# Altium PCB DL-5新款球锁 - 拼板-20201231.PcbDoc (part 4 of 9)
Units mm, origin at the board's own origin, x right, y up, seen from the top; angles counter-clockwise.
Board outline 55.99 x 50 mm, 4 copper layers (Top Layer, POWER, GND, Bottom Layer); 388 components, 70 nets, 1224 pads, 536 vias.
Unrouted connection lines stored in the file: 276.
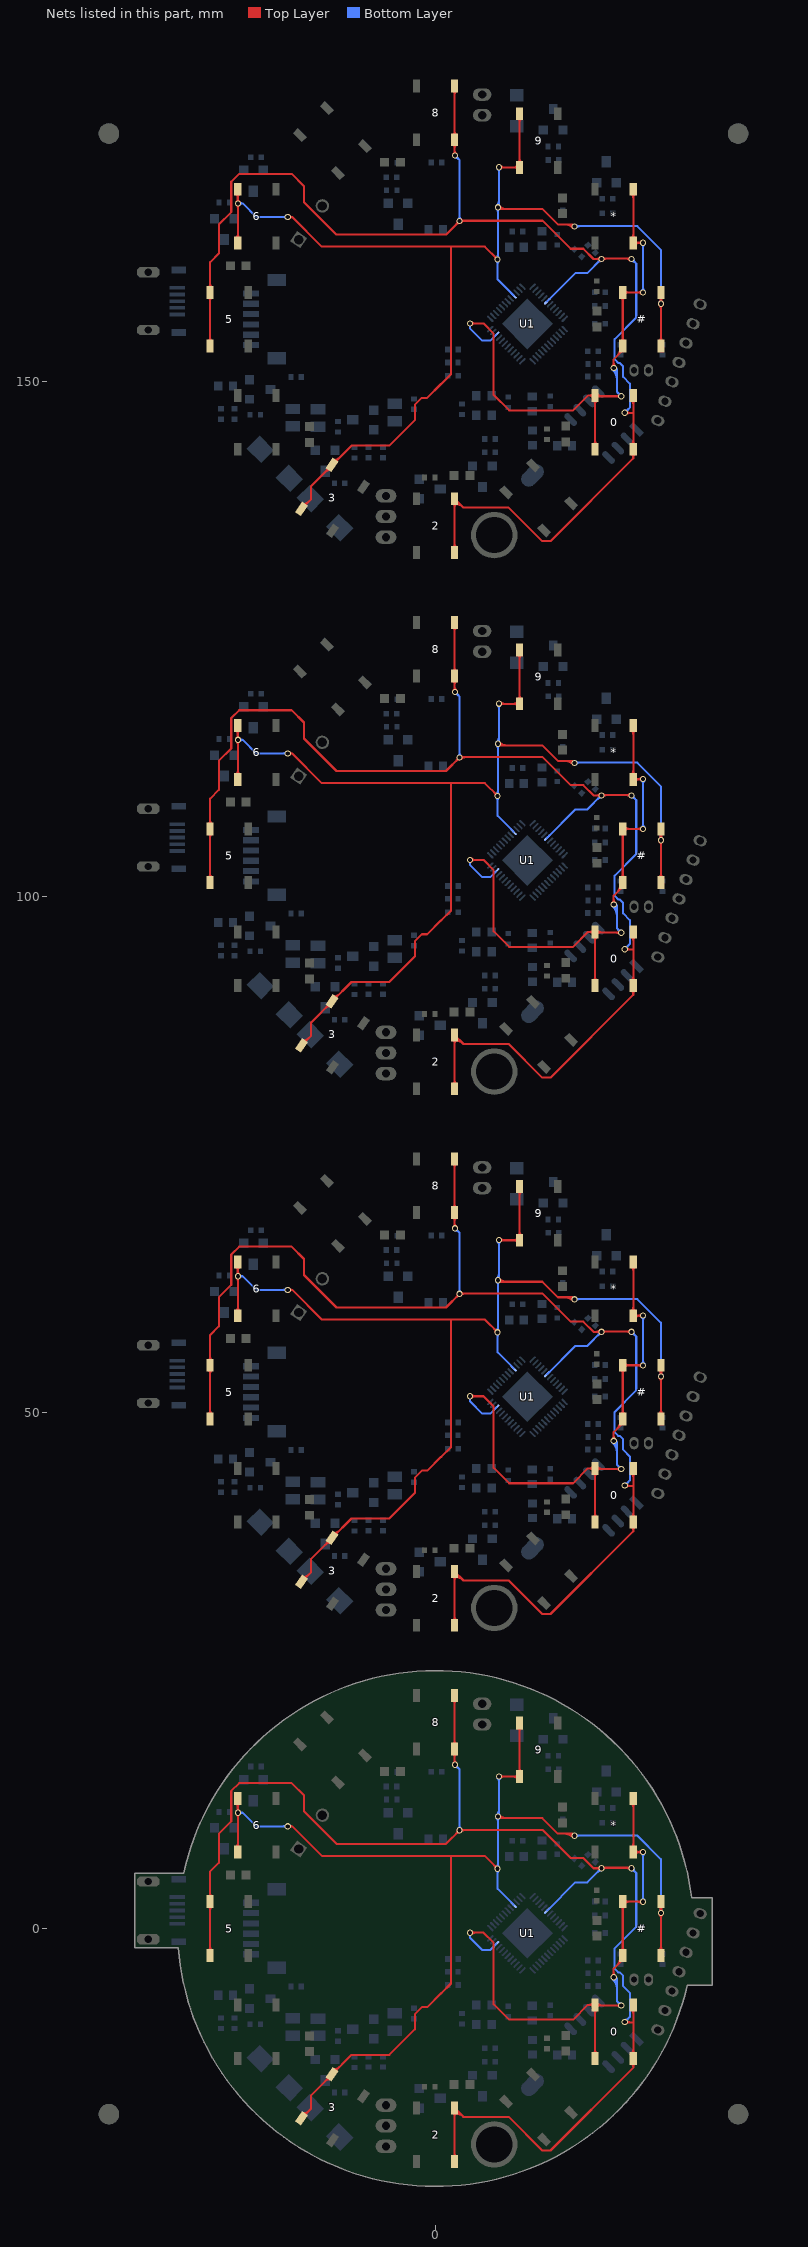
[diagram p6: the nets of this part, all layers, seen from the top]

## Via types
v1: diameter 0.6, hole 0.4, Top Layer to Bottom Layer, 440 vias
v2: diameter 0.6, hole 0.4, Top Layer to Bottom Layer, tented both sides, 48 vias
v3: diameter 0.61, hole 0.406, Top Layer to Bottom Layer, 24 vias
v4: diameter 0.61, hole 0.4, Top Layer to Bottom Layer, 16 vias
v5: diameter 0.61, hole 0.406, Top Layer to Bottom Layer, tented both sides, 8 vias

## Nets (pads, with @x,y where several pads share a name; then routed paths per layer and width w, separated by ;. In a path a pad name is that pad's centre, name@x,y a point inside that pad or via, vN(x,y) a via of type N, cw(c..) or ccw(c..) an arc to the next point about the centre after c; other vN are vias at no path point) (continued)
KEYX_4: 0.2 #.2 *.2 U1.10 | length 296.6
  Top Layer w0.2: v1(3.348,-0.406) 4.644,-0.406 5.635,-1.398 5.635,-7.342 7.133,-8.839 13.331,-8.839 14.77,-7.4 0.2@15.468,-7.4 ; v1(3.348,51.594) 4.644,51.594 5.635,50.602 5.635,44.658 7.133,43.161 13.331,43.161 14.77,44.6 0.2@15.468,44.6 ; v1(3.348,103.594) 4.644,103.594 5.635,102.602 5.635,96.658 7.133,95.161 13.331,95.161 14.77,96.6 0.2@15.468,96.6 ; v1(3.348,155.594) 4.644,155.594 5.635,154.602 5.635,148.658 7.133,147.161 13.331,147.161 14.77,148.6 0.2@15.468,148.6 ; v1@3.49,-0.548 cw(c3.831,-0.889) 3.831,-0.406 cw(c3.831,0.076) v1@3.49,-0.265 ; v1@3.49,51.452 cw(c3.831,51.111) 3.831,51.594 cw(c3.831,52.076) v1@3.49,51.735 ; v1@3.49,103.452 cw(c3.831,103.111) 3.831,103.594 cw(c3.831,104.076) v1@3.49,103.735 ; v1@3.49,155.452 cw(c3.831,155.111) 3.831,155.594 cw(c3.831,156.076) v1@3.49,155.735 ; 0.2@15.291,-12.148 ccw(c14.864,-11.721) 15.468,-11.721 ccw(c16.071,-11.721) 0.2@15.644,-12.148 ; 0.2@15.291,-7.852 cw(c14.864,-8.279) 15.468,-8.279 cw(c16.071,-8.279) 0.2@15.644,-7.852 ; 0.2@15.291,-7.577 ccw(c14.864,-8.004) 14.864,-7.4 ccw(c14.864,-6.796) 0.2@15.291,-7.223 ; 0.2@15.291,39.852 ccw(c14.864,40.279) 15.468,40.279 ccw(c16.071,40.279) 0.2@15.644,39.852 ; 0.2@15.291,44.148 cw(c14.864,43.721) 15.468,43.721 cw(c16.071,43.721) 0.2@15.644,44.148 ; 0.2@15.291,44.423 ccw(c14.864,43.996) 14.864,44.6 ccw(c14.864,45.204) 0.2@15.291,44.777 ; 0.2@15.291,91.852 ccw(c14.864,92.279) 15.468,92.279 ccw(c16.071,92.279) 0.2@15.644,91.852 ; 0.2@15.291,96.148 cw(c14.864,95.721) 15.468,95.721 cw(c16.071,95.721) 0.2@15.644,96.148 ; 0.2@15.291,96.423 ccw(c14.864,95.996) 14.864,96.6 ccw(c14.864,97.204) 0.2@15.291,96.777 ; 0.2@15.291,143.852 ccw(c14.864,144.279) 15.468,144.279 ccw(c16.071,144.279) 0.2@15.644,143.852 ; 0.2@15.291,148.148 cw(c14.864,147.721) 15.468,147.721 cw(c16.071,147.721) 0.2@15.644,148.148 ; 0.2@15.291,148.423 ccw(c14.864,147.996) 14.864,148.6 ccw(c14.864,149.204) 0.2@15.291,148.777 ; 0.2@15.468,-12.6 0.2@15.468,-7.4 ; 0.2@15.468,39.4 0.2@15.468,44.6 ; 0.2@15.468,91.4 0.2@15.468,96.6 ; 0.2@15.468,143.4 0.2@15.468,148.6 ; 0.2@15.644,-7.577 cw(c15.908,-7.84) 15.908,-7.468 ; 0.2@15.644,44.423 cw(c15.908,44.16) 15.908,44.532 ; 0.2@15.644,96.423 cw(c15.908,96.16) 15.908,96.532 ; 0.2@15.644,148.423 cw(c15.908,148.16) 15.908,148.532 ; 0.2@15.644,-7.223 ccw(c16.234,-6.633) 16.234,-7.468 ; 0.2@15.644,44.777 ccw(c16.234,45.367) 16.234,44.532 ; 0.2@15.644,96.777 ccw(c16.234,97.367) 16.234,96.532 ; 0.2@15.644,148.777 ccw(c16.234,149.367) 16.234,148.532 ; v1@17.126,-4.583 ccw(c16.785,-4.242) 17.268,-4.242 ccw(c17.751,-4.242) v1@17.409,-4.583 ; v1@17.126,47.417 ccw(c16.785,47.758) 17.268,47.758 ccw(c17.751,47.758) v1@17.409,47.417 ; v1@17.126,99.417 ccw(c16.785,99.758) 17.268,99.758 ccw(c17.751,99.758) v1@17.409,99.417 ; v1@17.126,151.417 ccw(c16.785,151.758) 17.268,151.758 ccw(c17.751,151.758) v1@17.409,151.417 ; v1(17.268,-4.724) 17.268,-3.886 18.147,-3.007 #.2@18.147,-2.6 #.2@18.147,2.6 20.103,2.6 v1(20.112,2.591) ; v1(17.268,47.276) 17.268,48.114 18.147,48.993 #.2@18.147,49.4 #.2@18.147,54.6 20.103,54.6 v1(20.112,54.591) ; v1(17.268,99.276) 17.268,100.114 18.147,100.993 #.2@18.147,101.4 #.2@18.147,106.6 20.103,106.6 v1(20.112,106.591) ; v1(17.268,151.276) 17.268,152.114 18.147,152.993 #.2@18.147,153.4 #.2@18.147,158.6 20.103,158.6 v1(20.112,158.591) ; 17.626,-3.527 ccw(c16.974,-2.875) #.2@17.897,-2.875 ; 17.626,48.473 ccw(c16.974,49.125) #.2@17.897,49.125 ; 17.626,100.473 ccw(c16.974,101.125) #.2@17.897,101.125 ; 17.626,152.473 ccw(c16.974,153.125) #.2@17.897,153.125 ; v1@17.863,-7.609 ccw(c17.521,-7.95) 17.521,-7.468 ccw(c17.521,-6.985) v1@17.863,-7.326 ; v1@17.863,44.391 ccw(c17.521,44.05) 17.521,44.532 ccw(c17.521,45.015) v1@17.863,44.674 ; v1@17.863,96.391 ccw(c17.521,96.05) 17.521,96.532 ccw(c17.521,97.015) v1@17.863,96.674 ; v1@17.863,148.391 ccw(c17.521,148.05) 17.521,148.532 ccw(c17.521,149.015) v1@17.863,148.674 ; #.2@17.946,-3.208 cw(c18.147,-3.409) #.2@18.147,-3.125 ; #.2@17.946,48.792 cw(c18.147,48.591) #.2@18.147,48.875 ; #.2@17.946,100.792 cw(c18.147,100.591) #.2@18.147,100.875 ; #.2@17.946,152.792 cw(c18.147,152.591) #.2@18.147,152.875 ; #.2@17.968,-3.186 ccw(c17.657,-2.875) #.2@18.097,-2.875 ; #.2@17.968,48.814 ccw(c17.657,49.125) #.2@18.097,49.125 ; #.2@17.968,100.814 ccw(c17.657,101.125) #.2@18.097,101.125 ; #.2@17.968,152.814 ccw(c17.657,153.125) #.2@18.097,153.125 ; #.2@17.97,-2.148 ccw(c17.543,-1.721) 18.147,-1.721 ccw(c18.75,-1.721) #.2@18.323,-2.148 ; #.2@17.97,2.148 cw(c17.543,1.721) 18.147,1.721 cw(c18.75,1.721) #.2@18.323,2.148 ; #.2@17.97,49.852 ccw(c17.543,50.279) 18.147,50.279 ccw(c18.75,50.279) #.2@18.323,49.852 ; #.2@17.97,54.148 cw(c17.543,53.721) 18.147,53.721 cw(c18.75,53.721) #.2@18.323,54.148 ; #.2@17.97,101.852 ccw(c17.543,102.279) 18.147,102.279 ccw(c18.75,102.279) #.2@18.323,101.852 ; #.2@17.97,106.148 cw(c17.543,105.721) 18.147,105.721 cw(c18.75,105.721) #.2@18.323,106.148 ; #.2@17.97,153.852 ccw(c17.543,154.279) 18.147,154.279 ccw(c18.75,154.279) #.2@18.323,153.852 ; #.2@17.97,158.148 cw(c17.543,157.721) 18.147,157.721 cw(c18.75,157.721) #.2@18.323,158.148 ; v1(18.004,-7.468) 15.535,-7.468 0.2@15.468,-7.4 ; v1(18.004,44.532) 15.535,44.532 0.2@15.468,44.6 ; v1(18.004,96.532) 15.535,96.532 0.2@15.468,96.6 ; v1(18.004,148.532) 15.535,148.532 0.2@15.468,148.6 ; #.2@18.323,2.423 cw(c18.75,1.996) 18.75,2.6 cw(c18.75,3.204) #.2@18.323,2.777 ; #.2@18.323,54.423 cw(c18.75,53.996) 18.75,54.6 cw(c18.75,55.204) #.2@18.323,54.777 ; #.2@18.323,106.423 cw(c18.75,105.996) 18.75,106.6 cw(c18.75,107.204) #.2@18.323,106.777 ; #.2@18.323,158.423 cw(c18.75,157.996) 18.75,158.6 cw(c18.75,159.204) #.2@18.323,158.777 ; *.2@18.991,7.852 ccw(c18.564,8.279) 19.168,8.279 ccw(c19.771,8.279) *.2@19.344,7.852 ; *.2@18.991,12.148 cw(c18.564,11.721) 19.168,11.721 cw(c19.771,11.721) *.2@19.344,12.148 ; *.2@18.991,59.852 ccw(c18.564,60.279) 19.168,60.279 ccw(c19.771,60.279) *.2@19.344,59.852 ; *.2@18.991,64.148 cw(c18.564,63.721) 19.168,63.721 cw(c19.771,63.721) *.2@19.344,64.148 ; *.2@18.991,111.852 ccw(c18.564,112.279) 19.168,112.279 ccw(c19.771,112.279) *.2@19.344,111.852 ; *.2@18.991,116.148 cw(c18.564,115.721) 19.168,115.721 cw(c19.771,115.721) *.2@19.344,116.148 ; *.2@18.991,163.852 ccw(c18.564,164.279) 19.168,164.279 ccw(c19.771,164.279) *.2@19.344,163.852 ; *.2@18.991,168.148 cw(c18.564,167.721) 19.168,167.721 cw(c19.771,167.721) *.2@19.344,168.148 ; *.2@19.168,12.6 *.2@19.168,7.4 19.184,7.417 v1(20.112,7.417) ; *.2@19.168,64.6 *.2@19.168,59.4 19.184,59.417 v1(20.112,59.417) ; *.2@19.168,116.6 *.2@19.168,111.4 19.184,111.417 v1(20.112,111.417) ; *.2@19.168,168.6 *.2@19.168,163.4 19.184,163.417 v1(20.112,163.417) ; *.2@19.344,7.223 cw(c19.812,6.756) 19.812,7.417 ; *.2@19.344,7.577 ccw(c19.731,7.963) 19.731,7.417 ; *.2@19.344,59.223 cw(c19.812,58.756) 19.812,59.417 ; *.2@19.344,59.577 ccw(c19.731,59.963) 19.731,59.417 ; *.2@19.344,111.223 cw(c19.812,110.756) 19.812,111.417 ; *.2@19.344,111.577 ccw(c19.731,111.963) 19.731,111.417 ; *.2@19.344,163.223 cw(c19.812,162.756) 19.812,163.417 ; *.2@19.344,163.577 ccw(c19.731,163.963) 19.731,163.417 ; 19.607,2.6 cw(c19.607,2.086) v1@19.971,2.449 ; 19.607,54.6 cw(c19.607,54.086) v1@19.971,54.449 ; 19.607,106.6 cw(c19.607,106.086) v1@19.971,106.449 ; 19.607,158.6 cw(c19.607,158.086) v1@19.971,158.449 ; 19.652,2.6 ccw(c19.652,3.051) v1@19.971,2.732 ; 19.652,54.6 ccw(c19.652,55.051) v1@19.971,54.732 ; 19.652,106.6 ccw(c19.652,107.051) v1@19.971,106.732 ; 19.652,158.6 ccw(c19.652,159.051) v1@19.971,158.732 ; v1@19.971,7.275 ccw(c19.63,6.934) 19.63,7.417 ccw(c19.63,7.9) v1@19.971,7.558 ; v1@19.971,59.275 ccw(c19.63,58.934) 19.63,59.417 ccw(c19.63,59.9) v1@19.971,59.558 ; v1@19.971,111.275 ccw(c19.63,110.934) 19.63,111.417 ccw(c19.63,111.9) v1@19.971,111.558 ; v1@19.971,163.275 ccw(c19.63,162.934) 19.63,163.417 ccw(c19.63,163.9) v1@19.971,163.558
  Bottom Layer w0.2: v1(3.348,-0.406) 3.348,-0.914 4.517,-2.083 5.306,-2.083 U1.10@5.871,-1.518 ; v1(3.348,51.594) 3.348,51.086 4.517,49.917 5.306,49.917 U1.10@5.871,50.482 ; v1(3.348,103.594) 3.348,103.086 4.517,101.917 5.306,101.917 U1.10@5.871,102.482 ; v1(3.348,155.594) 3.348,155.086 4.517,153.917 5.306,153.917 U1.10@5.871,154.482 ; v1@17.126,-4.866 cw(c15.988,-6.004) 17.598,-6.004 ; v1@17.126,47.134 cw(c15.988,45.996) 17.598,45.996 ; v1@17.126,99.134 cw(c15.988,97.996) 17.598,97.996 ; v1@17.126,151.134 cw(c15.988,149.996) 17.598,149.996 ; v1(17.268,-4.724) cw(c16.471,-5.522) 17.598,-5.522 ; v1(17.268,47.276) cw(c16.471,46.478) 17.598,46.478 ; v1(17.268,99.276) cw(c16.471,98.478) 17.598,98.478 ; v1(17.268,151.276) cw(c16.471,150.478) 17.598,150.478 ; v1@17.409,-4.583 cw(c16.953,-5.039) 17.598,-5.039 ; v1@17.409,47.417 cw(c16.953,46.961) 17.598,46.961 ; v1@17.409,99.417 cw(c16.953,98.961) 17.598,98.961 ; v1@17.409,151.417 cw(c16.953,150.961) 17.598,150.961 ; 17.598,-4.826 17.598,-7.061 v1(18.004,-7.468) ; 17.598,47.174 17.598,44.939 v1(18.004,44.532) ; 17.598,99.174 17.598,96.939 v1(18.004,96.532) ; 17.598,151.174 17.598,148.939 v1(18.004,148.532) ; v1@17.804,-7.468 ccw(c17.321,-7.468) 17.663,-7.126 ccw(c18.004,-6.785) v1@18.004,-7.268 ; v1@17.804,44.532 ccw(c17.321,44.532) 17.663,44.874 ccw(c18.004,45.215) v1@18.004,44.732 ; v1@17.804,96.532 ccw(c17.321,96.532) 17.663,96.874 ccw(c18.004,97.215) v1@18.004,96.732 ; v1@17.804,148.532 ccw(c17.321,148.532) 17.663,148.874 ccw(c18.004,149.215) v1@18.004,148.732 ; v1@19.971,2.732 ccw(c19.63,3.074) 20.112,3.074 ccw(c20.595,3.074) v1@20.254,2.732 ; v1@19.971,7.275 cw(c19.63,6.934) 20.112,6.934 cw(c20.595,6.934) v1@20.254,7.275 ; v1@19.971,54.732 ccw(c19.63,55.074) 20.112,55.074 ccw(c20.595,55.074) v1@20.254,54.732 ; v1@19.971,59.275 cw(c19.63,58.934) 20.112,58.934 cw(c20.595,58.934) v1@20.254,59.275 ; v1@19.971,106.732 ccw(c19.63,107.074) 20.112,107.074 ccw(c20.595,107.074) v1@20.254,106.732 ; v1@19.971,111.275 cw(c19.63,110.934) 20.112,110.934 cw(c20.595,110.934) v1@20.254,111.275 ; v1@19.971,158.732 ccw(c19.63,159.074) 20.112,159.074 ccw(c20.595,159.074) v1@20.254,158.732 ; v1@19.971,163.275 cw(c19.63,162.934) 20.112,162.934 cw(c20.595,162.934) v1@20.254,163.275 ; v1(20.112,2.591) v1(20.112,7.417) ; v1(20.112,54.591) v1(20.112,59.417) ; v1(20.112,106.591) v1(20.112,111.417) ; v1(20.112,158.591) v1(20.112,163.417)
KEYY_1: 3.1 6.1 9.1 #.1 U1.21 | length 560.8
  Top Layer w0.2: 6.1@-19.35,7.852 ccw(c-19.819,8.32) -19.156,8.32 ; 6.1@-19.35,12.148 cw(c-19.777,11.721) -19.173,11.721 cw(c-18.57,11.721) 6.1@-18.997,12.148 ; 6.1@-19.35,59.852 ccw(c-19.819,60.32) -19.156,60.32 ; 6.1@-19.35,64.148 cw(c-19.777,63.721) -19.173,63.721 cw(c-18.57,63.721) 6.1@-18.997,64.148 ; 6.1@-19.35,111.852 ccw(c-19.819,112.32) -19.156,112.32 ; 6.1@-19.35,116.148 cw(c-19.777,115.721) -19.173,115.721 cw(c-18.57,115.721) 6.1@-18.997,116.148 ; 6.1@-19.35,163.852 ccw(c-19.819,164.32) -19.156,164.32 ; 6.1@-19.35,168.148 cw(c-19.777,167.721) -19.173,167.721 cw(c-18.57,167.721) 6.1@-18.997,168.148 ; v1@-19.297,11.085 cw(c-19.639,10.744) -19.156,10.744 cw(c-18.673,10.744) v1@-19.014,11.085 ; v1@-19.297,11.368 ccw(c-19.597,11.668) -19.173,11.668 ; v1@-19.297,63.085 cw(c-19.639,62.744) -19.156,62.744 cw(c-18.673,62.744) v1@-19.014,63.085 ; v1@-19.297,63.368 ccw(c-19.597,63.668) -19.173,63.668 ; v1@-19.297,115.085 cw(c-19.639,114.744) -19.156,114.744 cw(c-18.673,114.744) v1@-19.014,115.085 ; v1@-19.297,115.368 ccw(c-19.597,115.668) -19.173,115.668 ; v1@-19.297,167.085 cw(c-19.639,166.744) -19.156,166.744 cw(c-18.673,166.744) v1@-19.014,167.085 ; v1@-19.297,167.368 ccw(c-19.597,167.668) -19.173,167.668 ; 6.1@-19.173,7.129 6.1@-19.173,7.4 -19.156,7.417 v1(-19.156,11.227) -19.173,11.227 6.1@-19.173,12.6 ; -19.173,11.752 ccw(c-18.631,11.752) v1@-19.014,11.368 ; 6.1@-19.173,59.129 6.1@-19.173,59.4 -19.156,59.417 v1(-19.156,63.227) -19.173,63.227 6.1@-19.173,64.6 ; -19.173,63.752 ccw(c-18.631,63.752) v1@-19.014,63.368 ; 6.1@-19.173,111.129 6.1@-19.173,111.4 -19.156,111.417 v1(-19.156,115.227) -19.173,115.227 6.1@-19.173,116.6 ; -19.173,115.752 ccw(c-18.631,115.752) v1@-19.014,115.368 ; 6.1@-19.173,163.129 6.1@-19.173,163.4 -19.156,163.417 v1(-19.156,167.227) -19.173,167.227 6.1@-19.173,168.6 ; -19.173,167.752 ccw(c-18.631,167.752) v1@-19.014,167.368 ; -19.156,8.237 ccw(c-18.612,8.237) 6.1@-18.997,7.852 ; -19.156,60.237 ccw(c-18.612,60.237) 6.1@-18.997,59.852 ; -19.156,112.237 ccw(c-18.612,112.237) 6.1@-18.997,111.852 ; -19.156,164.237 ccw(c-18.612,164.237) 6.1@-18.997,163.852 ; v1(-14.33,9.906) -13.898,9.906 ; v1(-14.33,61.906) -13.898,61.906 ; v1(-14.33,113.906) -13.898,113.906 ; v1(-14.33,165.906) -13.898,165.906 ; v1@-14.177,9.777 cw(c-13.898,9.54) -13.898,9.906 ; v1@-14.177,10.035 ccw(c-13.898,10.272) -13.898,9.906 ; v1@-14.177,61.777 cw(c-13.898,61.54) -13.898,61.906 ; v1@-14.177,62.035 ccw(c-13.898,62.272) -13.898,61.906 ; v1@-14.177,113.777 cw(c-13.898,113.54) -13.898,113.906 ; v1@-14.177,114.035 ccw(c-13.898,114.272) -13.898,113.906 ; v1@-14.177,165.777 cw(c-13.898,165.54) -13.898,165.906 ; v1@-14.177,166.035 ccw(c-13.898,166.272) -13.898,165.906 ; 3.1@-13.01,-18.39 -12.069,-17.449 -12.069,-16.172 3.1@-10.027,-14.13 -8.147,-12.25 -4.481,-12.25 -2.011,-9.779 -2.011,-8.306 -1.325,-7.62 -0.817,-7.62 0.525,-6.278 0.55,-6.278 1.496,-5.332 1.496,6.963 1.57,7.037 ; 3.1@-13.01,33.61 -12.069,34.551 -12.069,35.828 3.1@-10.027,37.87 -8.147,39.75 -4.481,39.75 -2.011,42.221 -2.011,43.694 -1.325,44.38 -0.817,44.38 0.525,45.722 0.55,45.722 1.496,46.668 1.496,58.963 1.57,59.037 ; 3.1@-13.01,85.61 -12.069,86.551 -12.069,87.828 3.1@-10.027,89.87 -8.147,91.75 -4.481,91.75 -2.011,94.221 -2.011,95.694 -1.325,96.38 -0.817,96.38 0.525,97.722 0.55,97.722 1.496,98.668 1.496,110.963 1.57,111.037 ; 3.1@-13.01,137.61 -12.069,138.551 -12.069,139.828 3.1@-10.027,141.87 -8.147,143.75 -4.481,143.75 -2.011,146.221 -2.011,147.694 -1.325,148.38 -0.817,148.38 0.525,149.722 0.55,149.722 1.496,150.668 1.496,162.963 1.57,163.037 ; 3.1@-12.852,-17.914 ccw(c-12.852,-17.148) -12.31,-17.69 ; 3.1@-12.852,34.086 ccw(c-12.852,34.852) -12.31,34.31 ; 3.1@-12.852,86.086 ccw(c-12.852,86.852) -12.31,86.31 ; 3.1@-12.852,138.086 ccw(c-12.852,138.852) -12.31,138.31 ; 3.1@-12.602,-18.164 cw(c-12.162,-18.164) -12.473,-17.853 ; 3.1@-12.602,33.836 cw(c-12.162,33.836) -12.473,34.147 ; 3.1@-12.602,85.836 cw(c-12.162,85.836) -12.473,86.147 ; 3.1@-12.602,137.836 cw(c-12.162,137.836) -12.473,138.147 ; -10.727,-14.83 cw(c-10.185,-15.372) 3.1@-10.185,-14.605 ; -10.727,37.17 cw(c-10.185,36.628) 3.1@-10.185,37.395 ; -10.727,89.17 cw(c-10.185,88.628) 3.1@-10.185,89.395 ; -10.727,141.17 cw(c-10.185,140.628) 3.1@-10.185,141.395 ; -10.564,-14.667 ccw(c-10.876,-14.355) 3.1@-10.435,-14.355 ; -10.564,37.333 ccw(c-10.876,37.645) 3.1@-10.435,37.645 ; -10.564,89.333 ccw(c-10.876,89.645) 3.1@-10.435,89.645 ; -10.564,141.333 ccw(c-10.876,141.645) 3.1@-10.435,141.645 ; 3.1@-9.87,-13.655 ccw(c-9.87,-12.888) -9.328,-13.43 ; 3.1@-9.87,38.345 ccw(c-9.87,39.112) -9.328,38.57 ; 3.1@-9.87,90.345 ccw(c-9.87,91.112) -9.328,90.57 ; 3.1@-9.87,142.345 ccw(c-9.87,143.112) -9.328,142.57 ; 3.1@-9.62,-13.905 cw(c-9.179,-13.905) -9.491,-13.593 ; 3.1@-9.62,38.095 cw(c-9.179,38.095) -9.491,38.407 ; 3.1@-9.62,90.095 cw(c-9.179,90.095) -9.491,90.407 ; 3.1@-9.62,142.095 cw(c-9.179,142.095) -9.491,142.407 ; v1@5.815,5.791 ccw(c5.333,5.791) 5.674,6.133 ccw(c6.015,6.474) v1@6.015,5.991 ; v1@5.815,57.791 ccw(c5.333,57.791) 5.674,58.133 ccw(c6.015,58.474) v1@6.015,57.991 ; v1@5.815,109.791 ccw(c5.333,109.791) 5.674,110.133 ccw(c6.015,110.474) v1@6.015,109.991 ; v1@5.815,161.791 ccw(c5.333,161.791) 5.674,162.133 ccw(c6.015,162.474) v1@6.015,161.991 ; v1(6.015,5.791) 4.77,7.037 1.57,7.037 ; v1(6.015,57.791) 4.77,59.037 1.57,59.037 ; v1(6.015,109.791) 4.77,111.037 1.57,111.037 ; v1(6.015,161.791) 4.77,163.037 1.57,163.037 ; v1(6.142,14.732) 6.153,14.721 9.1@8.147,14.721 9.1@8.147,19.921 ; v1(6.142,66.732) 6.153,66.721 9.1@8.147,66.721 9.1@8.147,71.921 ; v1(6.142,118.732) 6.153,118.721 9.1@8.147,118.721 9.1@8.147,123.921 ; v1(6.142,170.732) 6.153,170.721 9.1@8.147,170.721 9.1@8.147,175.921 ; v1@6.182,10.987 ccw(c6.893,11.698) 6.893,10.693 ; v1@6.182,62.987 ccw(c6.893,63.698) 6.893,62.693 ; v1@6.182,114.987 ccw(c6.893,115.698) 6.893,114.693 ; v1@6.182,166.987 ccw(c6.893,167.698) 6.893,166.693 ; v1@6.284,14.591 cw(c6.599,14.276) 6.599,14.721 ; v1@6.284,14.873 ccw(c6.652,15.241) 6.652,14.721 ; v1@6.284,66.591 cw(c6.599,66.276) 6.599,66.721 ; v1@6.284,66.873 ccw(c6.652,67.241) 6.652,66.721 ; v1@6.284,118.591 cw(c6.599,118.276) 6.599,118.721 ; v1@6.284,118.873 ccw(c6.652,119.241) 6.652,118.721 ; v1@6.284,170.591 cw(c6.599,170.276) 6.599,170.721 ; v1@6.284,170.873 ccw(c6.652,171.241) 6.652,170.721 ; 6.41,10.693 cw(c6.41,11.215) v1(6.041,10.846) 6.194,10.693 10.358,10.693 11.857,9.194 13.255,9.194 v1(13.458,8.992) ccw(c12.97,8.503) 12.97,9.194 ; 6.41,62.693 cw(c6.41,63.215) v1(6.041,62.846) 6.194,62.693 10.358,62.693 11.857,61.194 13.255,61.194 v1(13.458,60.992) ccw(c12.97,60.503) 12.97,61.194 ; 6.41,114.693 cw(c6.41,115.215) v1(6.041,114.846) 6.194,114.693 10.358,114.693 11.857,113.194 13.255,113.194 v1(13.458,112.992) ccw(c12.97,112.503) 12.97,113.194 ; 6.41,166.693 cw(c6.41,167.215) v1(6.041,166.846) 6.194,166.693 10.358,166.693 11.857,165.194 13.255,165.194 v1(13.458,164.992) ccw(c12.97,164.503) 12.97,165.194 ; 9.1@7.97,14.544 ccw(c7.543,14.117) 7.543,14.721 ccw(c7.543,15.325) 9.1@7.97,14.898 ; 9.1@7.97,15.173 ccw(c7.543,15.6) 8.147,15.6 ccw(c8.75,15.6) 9.1@8.323,15.173 ; 9.1@7.97,19.469 cw(c7.543,19.042) 8.147,19.042 cw(c8.75,19.042) 9.1@8.323,19.469 ; 9.1@7.97,66.544 ccw(c7.543,66.117) 7.543,66.721 ccw(c7.543,67.325) 9.1@7.97,66.898 ; 9.1@7.97,67.173 ccw(c7.543,67.6) 8.147,67.6 ccw(c8.75,67.6) 9.1@8.323,67.173 ; 9.1@7.97,71.469 cw(c7.543,71.042) 8.147,71.042 cw(c8.75,71.042) 9.1@8.323,71.469 ; 9.1@7.97,118.544 ccw(c7.543,118.117) 7.543,118.721 ccw(c7.543,119.325) 9.1@7.97,118.898 ; 9.1@7.97,119.173 ccw(c7.543,119.6) 8.147,119.6 ccw(c8.75,119.6) 9.1@8.323,119.173 ; 9.1@7.97,123.469 cw(c7.543,123.042) 8.147,123.042 cw(c8.75,123.042) 9.1@8.323,123.469 ; 9.1@7.97,170.544 ccw(c7.543,170.117) 7.543,170.721 ccw(c7.543,171.325) 9.1@7.97,170.898 ; 9.1@7.97,171.173 ccw(c7.543,171.6) 8.147,171.6 ccw(c8.75,171.6) 9.1@8.323,171.173 ; 9.1@7.97,175.469 cw(c7.543,175.042) 8.147,175.042 cw(c8.75,175.042) 9.1@8.323,175.469 ; 12.487,9.194 cw(c12.487,8.021) v1@13.316,8.85 ; 12.487,61.194 cw(c12.487,60.021) v1@13.316,60.85 ; 12.487,113.194 cw(c12.487,112.021) v1@13.316,112.85 ; 12.487,165.194 cw(c12.487,164.021) v1@13.316,164.85 ; #.1@21.67,-2.148 ccw(c21.243,-1.721) 21.847,-1.721 ccw(c22.45,-1.721) #.1@22.023,-2.148 ; #.1@21.67,2.148 cw(c21.243,1.721) 21.847,1.721 cw(c22.45,1.721) #.1@22.023,2.148 ; #.1@21.67,49.852 ccw(c21.243,50.279) 21.847,50.279 ccw(c22.45,50.279) #.1@22.023,49.852 ; #.1@21.67,54.148 cw(c21.243,53.721) 21.847,53.721 cw(c22.45,53.721) #.1@22.023,54.148 ; #.1@21.67,101.852 ccw(c21.243,102.279) 21.847,102.279 ccw(c22.45,102.279) #.1@22.023,101.852 ; #.1@21.67,106.148 cw(c21.243,105.721) 21.847,105.721 cw(c22.45,105.721) #.1@22.023,106.148 ; #.1@21.67,153.852 ccw(c21.243,154.279) 21.847,154.279 ccw(c22.45,154.279) #.1@22.023,153.852 ; #.1@21.67,158.148 cw(c21.243,157.721) 21.847,157.721 cw(c22.45,157.721) #.1@22.023,158.148 ; v1@21.705,1.357 cw(c21.364,1.016) 21.847,1.016 cw(c22.33,1.016) v1@21.988,1.357 ; v1@21.705,1.64 ccw(c21.364,1.981) 21.847,1.981 ccw(c22.33,1.981) v1@21.988,1.64 ; v1@21.705,53.357 cw(c21.364,53.016) 21.847,53.016 cw(c22.33,53.016) v1@21.988,53.357 ; v1@21.705,53.64 ccw(c21.364,53.981) 21.847,53.981 ccw(c22.33,53.981) v1@21.988,53.64 ; v1@21.705,105.357 cw(c21.364,105.016) 21.847,105.016 cw(c22.33,105.016) v1@21.988,105.357 ; v1@21.705,105.64 ccw(c21.364,105.981) 21.847,105.981 ccw(c22.33,105.981) v1@21.988,105.64 ; v1@21.705,157.357 cw(c21.364,157.016) 21.847,157.016 cw(c22.33,157.016) v1@21.988,157.357 ; v1@21.705,157.64 ccw(c21.364,157.981) 21.847,157.981 ccw(c22.33,157.981) v1@21.988,157.64 ; v1@21.711,1.645 ccw(c21.517,1.853) 21.792,1.927 ; v1@21.711,53.645 ccw(c21.517,53.853) 21.792,53.927 ; v1@21.711,105.645 ccw(c21.517,105.853) 21.792,105.927 ; v1@21.711,157.645 ccw(c21.517,157.853) 21.792,157.927 ; v1@21.747,1.672 ccw(c21.604,1.919) 21.88,1.845 ; v1@21.747,53.672 ccw(c21.604,53.919) 21.88,53.845 ; v1@21.747,105.672 ccw(c21.604,105.919) 21.88,105.845 ; v1@21.747,157.672 ccw(c21.604,157.919) 21.88,157.845 ; 21.813,1.845 ccw(c22.09,1.919) v1@21.947,1.672 ; 21.813,53.845 ccw(c22.09,53.919) v1@21.947,53.672 ; 21.813,105.845 ccw(c22.09,105.919) v1@21.947,105.672 ; 21.813,157.845 ccw(c22.09,157.919) v1@21.947,157.672 ; #.1@21.847,-2.6 v1(21.847,1.499) #.1@21.847,2.6 ; #.1@21.847,49.4 v1(21.847,53.499) #.1@21.847,54.6 ; #.1@21.847,101.4 v1(21.847,105.499) #.1@21.847,106.6 ; #.1@21.847,153.4 v1(21.847,157.499) #.1@21.847,158.6 ; 21.902,1.927 ccw(c22.176,1.853) v1@21.983,1.645 ; 21.902,53.927 ccw(c22.176,53.853) v1@21.983,53.645 ; 21.902,105.927 ccw(c22.176,105.853) v1@21.983,105.645 ; 21.902,157.927 ccw(c22.176,157.853) v1@21.983,157.645 ; -13.898,9.906 -11.029,7.037 1.57,7.037 ; -13.898,61.906 -11.029,59.037 1.57,59.037 ; -13.898,113.906 -11.029,111.037 1.57,111.037 ; -13.898,165.906 -11.029,163.037 1.57,163.037
  Bottom Layer w0.2: v1(-19.156,11.227) -18.699,11.227 ; v1(-19.156,63.227) -18.699,63.227 ; v1(-19.156,115.227) -18.699,115.227 ; v1(-19.156,167.227) -18.699,167.227 ; v1@-19.009,11.091 cw(c-18.699,10.804) -18.699,11.227 ; v1@-19.009,11.363 ccw(c-18.699,11.649) -18.699,11.227 ; v1@-19.009,63.091 cw(c-18.699,62.804) -18.699,63.227 ; v1@-19.009,63.363 ccw(c-18.699,63.649) -18.699,63.227 ; v1@-19.009,115.091 cw(c-18.699,114.804) -18.699,115.227 ; v1@-19.009,115.363 ccw(c-18.699,115.649) -18.699,115.227 ; v1@-19.009,167.091 cw(c-18.699,166.804) -18.699,167.227 ; v1@-19.009,167.363 ccw(c-18.699,167.649) -18.699,167.227 ; v1@-14.471,9.765 ccw(c-14.813,9.423) -14.813,9.906 ccw(c-14.813,10.389) v1@-14.471,10.047 ; v1@-14.471,61.765 ccw(c-14.813,61.423) -14.813,61.906 ccw(c-14.813,62.389) v1@-14.471,62.047 ; v1@-14.471,113.765 ccw(c-14.813,113.423) -14.813,113.906 ccw(c-14.813,114.389) v1@-14.471,114.047 ; v1@-14.471,165.765 ccw(c-14.813,165.423) -14.813,165.906 ccw(c-14.813,166.389) v1@-14.471,166.047 ; v1(-14.33,9.906) -17.378,9.906 -18.699,11.227 ; v1(-14.33,61.906) -17.378,61.906 -18.699,63.227 ; v1(-14.33,113.906) -17.378,113.906 -18.699,115.227 ; v1(-14.33,165.906) -17.378,165.906 -18.699,167.227 ; v1@5.874,5.65 cw(c5.533,5.308) 6.015,5.308 cw(c6.498,5.308) v1@6.157,5.65 ; v1@5.874,5.933 ccw(c5.471,6.335) 6.041,6.335 ; v1@5.874,57.65 cw(c5.533,57.308) 6.015,57.308 cw(c6.498,57.308) v1@6.157,57.65 ; v1@5.874,57.933 ccw(c5.471,58.335) 6.041,58.335 ; v1@5.874,109.65 cw(c5.533,109.308) 6.015,109.308 cw(c6.498,109.308) v1@6.157,109.65 ; v1@5.874,109.933 ccw(c5.471,110.335) 6.041,110.335 ; v1@5.874,161.65 cw(c5.533,161.308) 6.015,161.308 cw(c6.498,161.308) v1@6.157,161.65 ; v1@5.874,161.933 ccw(c5.471,162.335) 6.041,162.335 ; v1@5.899,10.704 cw(c5.558,10.363) 6.041,10.363 cw(c6.524,10.363) v1@6.182,10.704 ; v1@5.899,10.987 ccw(c5.313,11.574) 6.142,11.574 ; v1@5.899,62.704 cw(c5.558,62.363) 6.041,62.363 cw(c6.524,62.363) v1@6.182,62.704 ; v1@5.899,62.987 ccw(c5.313,63.574) 6.142,63.574 ; v1@5.899,114.704 cw(c5.558,114.363) 6.041,114.363 cw(c6.524,114.363) v1@6.182,114.704 ; v1@5.899,114.987 ccw(c5.313,115.574) 6.142,115.574 ; v1@5.899,166.704 cw(c5.558,166.363) 6.041,166.363 cw(c6.524,166.363) v1@6.182,166.704 ; v1@5.899,166.987 ccw(c5.313,167.574) 6.142,167.574 ; v1@6.001,14.591 cw(c5.66,14.249) 6.142,14.249 cw(c6.625,14.249) v1@6.284,14.591 ; v1@6.001,66.591 cw(c5.66,66.249) 6.142,66.249 cw(c6.625,66.249) v1@6.284,66.591 ; v1@6.001,118.591 cw(c5.66,118.249) 6.142,118.249 cw(c6.625,118.249) v1@6.284,118.591 ; v1@6.001,170.591 cw(c5.66,170.249) 6.142,170.249 cw(c6.625,170.249) v1@6.284,170.591 ; 6.041,6.213 ccw(c6.437,6.213) v1@6.157,5.933 ; 6.041,58.213 ccw(c6.437,58.213) v1@6.157,57.933 ; 6.041,110.213 ccw(c6.437,110.213) v1@6.157,109.933 ; 6.041,162.213 ccw(c6.437,162.213) v1@6.157,161.933 ; v1(6.142,14.732) 6.142,10.947 v1(6.041,10.846) 6.041,5.817 v1(6.015,5.791) 6.015,3.853 U1.21@7.568,2.301 ; v1(6.142,66.732) 6.142,62.947 v1(6.041,62.846) 6.041,57.817 v1(6.015,57.791) 6.015,55.853 U1.21@7.568,54.301 ; v1(6.142,118.732) 6.142,114.947 v1(6.041,114.846) 6.041,109.817 v1(6.015,109.791) 6.015,107.853 U1.21@7.568,106.301 ; v1(6.142,170.732) 6.142,166.947 v1(6.041,166.846) 6.041,161.817 v1(6.015,161.791) 6.015,159.853 U1.21@7.568,158.301 ; v1(13.458,8.992) 13.483,9.017 19.554,9.017 21.847,6.724 v1(21.847,1.499) ; v1(13.458,60.992) 13.483,61.017 19.554,61.017 21.847,58.724 v1(21.847,53.499) ; v1(13.458,112.992) 13.483,113.017 19.554,113.017 21.847,110.724 v1(21.847,105.499) ; v1(13.458,164.992) 13.483,165.017 19.554,165.017 21.847,162.724 v1(21.847,157.499) ; v1@13.599,8.85 cw(c14.002,8.447) 14.002,9.017 ; v1@13.599,9.133 ccw(c13.879,9.413) 13.879,9.017 ; v1@13.599,60.85 cw(c14.002,60.447) 14.002,61.017 ; v1@13.599,61.133 ccw(c13.879,61.413) 13.879,61.017 ; v1@13.599,112.85 cw(c14.002,112.447) 14.002,113.017 ; v1@13.599,113.133 ccw(c13.879,113.413) 13.879,113.017 ; v1@13.599,164.85 cw(c14.002,164.447) 14.002,165.017 ; v1@13.599,165.133 ccw(c13.879,165.413) 13.879,165.017 ; v1@21.705,1.64 ccw(c21.364,1.981) 21.847,1.981 ccw(c22.33,1.981) v1@21.988,1.64 ; v1@21.705,53.64 ccw(c21.364,53.981) 21.847,53.981 ccw(c22.33,53.981) v1@21.988,53.64 ; v1@21.705,105.64 ccw(c21.364,105.981) 21.847,105.981 ccw(c22.33,105.981) v1@21.988,105.64 ; v1@21.705,157.64 ccw(c21.364,157.981) 21.847,157.981 ccw(c22.33,157.981) v1@21.988,157.64
KEYY_2: 0.1 2.1 5.1 8.1 U1.30 | length 616.1
  Top Layer w0.2: 5.1@-22.03,-2.148 ccw(c-22.457,-1.721) -21.853,-1.721 ccw(c-21.25,-1.721) 5.1@-21.677,-2.148 ; 5.1@-22.03,2.148 cw(c-22.457,1.721) -21.853,1.721 cw(c-21.25,1.721) 5.1@-21.677,2.148 ; 5.1@-22.03,3.052 ccw(c-22.457,3.479) -21.853,3.479 ccw(c-21.25,3.479) 5.1@-21.677,3.052 ; 5.1@-22.03,49.852 ccw(c-22.457,50.279) -21.853,50.279 ccw(c-21.25,50.279) 5.1@-21.677,49.852 ; 5.1@-22.03,54.148 cw(c-22.457,53.721) -21.853,53.721 cw(c-21.25,53.721) 5.1@-21.677,54.148 ; 5.1@-22.03,55.052 ccw(c-22.457,55.479) -21.853,55.479 ccw(c-21.25,55.479) 5.1@-21.677,55.052 ; 5.1@-22.03,101.852 ccw(c-22.457,102.279) -21.853,102.279 ccw(c-21.25,102.279) 5.1@-21.677,101.852 ; 5.1@-22.03,106.148 cw(c-22.457,105.721) -21.853,105.721 cw(c-21.25,105.721) 5.1@-21.677,106.148 ; 5.1@-22.03,107.052 ccw(c-22.457,107.479) -21.853,107.479 ccw(c-21.25,107.479) 5.1@-21.677,107.052 ; 5.1@-22.03,153.852 ccw(c-22.457,154.279) -21.853,154.279 ccw(c-21.25,154.279) 5.1@-21.677,153.852 ; 5.1@-22.03,158.148 cw(c-22.457,157.721) -21.853,157.721 cw(c-21.25,157.721) 5.1@-21.677,158.148 ; 5.1@-22.03,159.052 ccw(c-22.457,159.479) -21.853,159.479 ccw(c-21.25,159.479) 5.1@-21.677,159.052 ; 5.1@-21.853,-2.6 5.1@-21.853,2.6 -21.853,5.532 -21.01,6.375 -21.01,9.182 -19.803,10.389 -19.803,13.341 -19.047,14.097 -13.949,14.097 -12.755,12.903 -12.755,11.354 -9.606,8.204 1.012,8.204 v1(2.332,9.525) 2.356,9.548 10.382,9.548 13.097,6.834 14.32,6.834 15.312,5.842 v1(16.074,5.842) 16.119,5.888 18.949,5.888 v1(18.995,5.842) ; 5.1@-21.853,49.4 5.1@-21.853,54.6 -21.853,57.532 -21.01,58.375 -21.01,61.182 -19.803,62.389 -19.803,65.341 -19.047,66.097 -13.949,66.097 -12.755,64.903 -12.755,63.354 -9.606,60.204 1.012,60.204 v1(2.332,61.525) 2.356,61.548 10.382,61.548 13.097,58.834 14.32,58.834 15.312,57.842 v1(16.074,57.842) 16.119,57.888 18.949,57.888 v1(18.995,57.842) ; 5.1@-21.853,101.4 5.1@-21.853,106.6 -21.853,109.532 -21.01,110.375 -21.01,113.182 -19.803,114.389 -19.803,117.341 -19.047,118.097 -13.949,118.097 -12.755,116.903 -12.755,115.354 -9.606,112.204 1.012,112.204 v1(2.332,113.525) 2.356,113.548 10.382,113.548 13.097,110.834 14.32,110.834 15.312,109.842 v1(16.074,109.842) 16.119,109.888 18.949,109.888 v1(18.995,109.842) ; 5.1@-21.853,153.4 5.1@-21.853,158.6 -21.853,161.532 -21.01,162.375 -21.01,165.182 -19.803,166.389 -19.803,169.341 -19.047,170.097 -13.949,170.097 -12.755,168.903 -12.755,167.354 -9.606,164.204 1.012,164.204 v1(2.332,165.525) 2.356,165.548 10.382,165.548 13.097,162.834 14.32,162.834 15.312,161.842 v1(16.074,161.842) 16.119,161.888 18.949,161.888 v1(18.995,161.842) ; 2.1@1.67,-22.148 ccw(c1.243,-21.721) 1.847,-21.721 ccw(c2.45,-21.721) 2.1@2.023,-22.148 ; 2.1@1.67,-17.852 cw(c1.243,-18.279) 1.847,-18.279 cw(c2.45,-18.279) 2.1@2.023,-17.852 ; 8.1@1.67,16.948 cw(c1.243,16.521) 1.847,16.521 cw(c2.45,16.521) 8.1@2.023,16.948 ; 8.1@1.67,17.852 ccw(c1.243,18.279) 1.847,18.279 ccw(c2.45,18.279) 8.1@2.023,17.852 ; 8.1@1.67,22.148 cw(c1.243,21.721) 1.847,21.721 cw(c2.45,21.721) 8.1@2.023,22.148 ; 2.1@1.67,29.852 ccw(c1.243,30.279) 1.847,30.279 ccw(c2.45,30.279) 2.1@2.023,29.852 ; 2.1@1.67,34.148 cw(c1.243,33.721) 1.847,33.721 cw(c2.45,33.721) 2.1@2.023,34.148 ; 8.1@1.67,68.948 cw(c1.243,68.521) 1.847,68.521 cw(c2.45,68.521) 8.1@2.023,68.948 ; 8.1@1.67,69.852 ccw(c1.243,70.279) 1.847,70.279 ccw(c2.45,70.279) 8.1@2.023,69.852 ; 8.1@1.67,74.148 cw(c1.243,73.721) 1.847,73.721 cw(c2.45,73.721) 8.1@2.023,74.148 ; 2.1@1.67,81.852 ccw(c1.243,82.279) 1.847,82.279 ccw(c2.45,82.279) 2.1@2.023,81.852 ; 2.1@1.67,86.148 cw(c1.243,85.721) 1.847,85.721 cw(c2.45,85.721) 2.1@2.023,86.148 ; 8.1@1.67,120.948 cw(c1.243,120.521) 1.847,120.521 cw(c2.45,120.521) 8.1@2.023,120.948 ; 8.1@1.67,121.852 ccw(c1.243,122.279) 1.847,122.279 ccw(c2.45,122.279) 8.1@2.023,121.852 ; 8.1@1.67,126.148 cw(c1.243,125.721) 1.847,125.721 cw(c2.45,125.721) 8.1@2.023,126.148 ; 2.1@1.67,133.852 ccw(c1.243,134.279) 1.847,134.279 ccw(c2.45,134.279) 2.1@2.023,133.852 ; 2.1@1.67,138.148 cw(c1.243,137.721) 1.847,137.721 cw(c2.45,137.721) 2.1@2.023,138.148 ; 8.1@1.67,172.948 cw(c1.243,172.521) 1.847,172.521 cw(c2.45,172.521) 8.1@2.023,172.948 ; 8.1@1.67,173.852 ccw(c1.243,174.279) 1.847,174.279 ccw(c2.45,174.279) 8.1@2.023,173.852 ; 8.1@1.67,178.148 cw(c1.243,177.721) 1.847,177.721 cw(c2.45,177.721) 8.1@2.023,178.148 ; v1@1.734,16.016 ccw(c1.462,16.289) 1.847,16.289 ; v1@1.734,68.016 ccw(c1.462,68.289) 1.847,68.289 ; v1@1.734,120.016 ccw(c1.462,120.289) 1.847,120.289 ; v1@1.734,172.016 ccw(c1.462,172.289) 1.847,172.289 ; 2.1@1.847,-22.6 2.1@1.847,-17.4 2.709,-18.263 ; 1.847,16.427 ccw(c2.427,16.427) v1@2.017,16.016 ; 8.1@1.847,22.6 8.1@1.847,17.4 1.847,15.904 v1(1.875,15.875) ; 2.1@1.847,29.4 2.1@1.847,34.6 2.709,33.737 ; 1.847,68.427 ccw(c2.427,68.427) v1@2.017,68.016 ; 8.1@1.847,74.6 8.1@1.847,69.4 1.847,67.904 v1(1.875,67.875) ; 2.1@1.847,81.4 2.1@1.847,86.6 2.709,85.737 ; 1.847,120.427 ccw(c2.427,120.427) v1@2.017,120.016 ; 8.1@1.847,126.6 8.1@1.847,121.4 1.847,119.904 v1(1.875,119.875) ; 2.1@1.847,133.4 2.1@1.847,138.6 2.709,137.737 ; 1.847,172.427 ccw(c2.427,172.427) v1@2.017,172.016 ; 8.1@1.847,178.6 8.1@1.847,173.4 1.847,171.904 v1(1.875,171.875) ; 2.1@1.848,-17.725 cw(c1.872,-18.447) 2.383,-17.936 ; 2.1@1.848,34.275 cw(c1.872,33.553) 2.383,34.064 ; 2.1@1.848,86.275 cw(c1.872,85.553) 2.383,86.064 ; 2.1@1.848,138.275 cw(c1.872,137.553) 2.383,138.064 ; 2.1@1.855,-17.925 cw(c1.892,-19.079) 2.709,-18.263 ; 2.1@1.855,34.075 cw(c1.892,32.921) 2.709,33.737 ; 2.1@1.855,86.075 cw(c1.892,84.921) 2.709,85.737 ; 2.1@1.855,138.075 cw(c1.892,136.921) 2.709,137.737 ; v1@2.132,9.525 cw(c1.65,9.525) 1.991,9.184 cw(c2.332,8.842) v1@2.332,9.325 ; v1@2.132,61.525 cw(c1.65,61.525) 1.991,61.184 cw(c2.332,60.842) v1@2.332,61.325 ; v1@2.132,113.525 cw(c1.65,113.525) 1.991,113.184 cw(c2.332,112.842) v1@2.332,113.325 ; v1@2.132,165.525 cw(c1.65,165.525) 1.991,165.184 cw(c2.332,164.842) v1@2.332,165.325 ; v1@2.474,9.384 cw(c2.872,8.986) 2.872,9.548 ; v1@2.474,9.666 ccw(c2.759,9.951) 2.759,9.548 ; v1@2.474,61.384 cw(c2.872,60.986) 2.872,61.548 ; v1@2.474,61.666 ccw(c2.759,61.951) 2.759,61.548 ; v1@2.474,113.384 cw(c2.872,112.986) 2.872,113.548 ; v1@2.474,113.666 ccw(c2.759,113.951) 2.759,113.548 ; v1@2.474,165.384 cw(c2.872,164.986) 2.872,165.548 ; v1@2.474,165.666 ccw(c2.759,165.951) 2.759,165.548 ; v1@15.932,5.701 ccw(c15.591,5.359) 15.591,5.842 ccw(c15.591,6.325) v1@15.932,5.983 ; v1@15.932,57.701 ccw(c15.591,57.359) 15.591,57.842 ccw(c15.591,58.325) v1@15.932,57.983 ; v1@15.932,109.701 ccw(c15.591,109.359) 15.591,109.842 ccw(c15.591,110.325) v1@15.932,109.983 ; v1@15.932,161.701 ccw(c15.591,161.359) 15.591,161.842 ccw(c15.591,162.325) v1@15.932,161.983 ; v1@16.215,5.701 cw(c16.667,5.249) 16.667,5.888 ; v1@16.215,5.983 ccw(c16.447,6.215) 16.447,5.888 ; v1@16.215,57.701 cw(c16.667,57.249) 16.667,57.888 ; v1@16.215,57.983 ccw(c16.447,58.215) 16.447,57.888 ; v1@16.215,109.701 cw(c16.667,109.249) 16.667,109.888 ; v1@16.215,109.983 ccw(c16.447,110.215) 16.447,109.888 ; v1@16.215,161.701 cw(c16.667,161.249) 16.667,161.888 ; v1@16.215,161.983 ccw(c16.447,162.215) 16.447,161.888 ; v1(18.334,-9.068) 18.36,-9.093 19.168,-9.093 ; v1(18.334,42.932) 18.36,42.907 19.168,42.907 ; v1(18.334,94.932) 18.36,94.907 19.168,94.907 ; v1(18.334,146.932) 18.36,146.907 19.168,146.907 ; 18.402,5.888 cw(c18.402,5.249) v1@18.853,5.701 ; 18.402,57.888 cw(c18.402,57.249) v1@18.853,57.701 ; 18.402,109.888 cw(c18.402,109.249) v1@18.853,109.701 ; 18.402,161.888 cw(c18.402,161.249) v1@18.853,161.701 ; v1@18.476,-9.209 cw(c18.756,-9.489) 18.756,-9.093 ; v1@18.476,-8.926 ccw(c18.879,-8.524) 18.879,-9.093 ; v1@18.476,42.791 cw(c18.756,42.511) 18.756,42.907 ; v1@18.476,43.074 ccw(c18.879,43.476) 18.879,42.907 ; v1@18.476,94.791 cw(c18.756,94.511) 18.756,94.907 ; v1@18.476,95.074 ccw(c18.879,95.476) 18.879,94.907 ; v1@18.476,146.791 cw(c18.756,146.511) 18.756,146.907 ; v1@18.476,147.074 ccw(c18.879,147.476) 18.879,146.907 ; 18.622,5.888 ccw(c18.622,6.215) v1@18.853,5.983 ; 18.622,57.888 ccw(c18.622,58.215) v1@18.853,57.983 ; 18.622,109.888 ccw(c18.622,110.215) v1@18.853,109.983 ; 18.622,161.888 ccw(c18.622,162.215) v1@18.853,161.983 ; 0.1@18.991,-13.052 cw(c18.564,-13.479) 19.168,-13.479 cw(c19.771,-13.479) 0.1@19.344,-13.052 ; 0.1@18.991,-12.148 ccw(c18.564,-11.721) 19.168,-11.721 ccw(c19.771,-11.721) 0.1@19.344,-12.148 ; 0.1@18.991,-7.852 cw(c18.564,-8.279) 19.168,-8.279 cw(c19.771,-8.279) 0.1@19.344,-7.852 ; 0.1@18.991,38.948 cw(c18.564,38.521) 19.168,38.521 cw(c19.771,38.521) 0.1@19.344,38.948 ; 0.1@18.991,39.852 ccw(c18.564,40.279) 19.168,40.279 ccw(c19.771,40.279) 0.1@19.344,39.852 ; 0.1@18.991,44.148 cw(c18.564,43.721) 19.168,43.721 cw(c19.771,43.721) 0.1@19.344,44.148 ; 0.1@18.991,90.948 cw(c18.564,90.521) 19.168,90.521 cw(c19.771,90.521) 0.1@19.344,90.948 ; 0.1@18.991,91.852 ccw(c18.564,92.279) 19.168,92.279 ccw(c19.771,92.279) 0.1@19.344,91.852 ; 0.1@18.991,96.148 cw(c18.564,95.721) 19.168,95.721 cw(c19.771,95.721) 0.1@19.344,96.148 ; 0.1@18.991,142.948 cw(c18.564,142.521) 19.168,142.521 cw(c19.771,142.521) 0.1@19.344,142.948 ; 0.1@18.991,143.852 ccw(c18.564,144.279) 19.168,144.279 ccw(c19.771,144.279) 0.1@19.344,143.852 ; 0.1@18.991,148.148 cw(c18.564,147.721) 19.168,147.721 cw(c19.771,147.721) 0.1@19.344,148.148 ; 0.1@19.168,-7.4 19.168,-9.093 ; 0.1@19.168,44.6 19.168,42.907 ; 0.1@19.168,91.4 19.168,90.508 11.146,82.486 10.333,82.486 7.082,85.737 2.709,85.737 ; 0.1@19.168,91.4 19.168,94.907 ; 0.1@19.168,96.6 19.168,94.907 ; 0.1@19.168,148.6 19.168,146.907 ; 2.709,-18.263 7.082,-18.263 10.333,-21.514 11.146,-21.514 19.168,-13.492 0.1@19.168,-12.6 19.168,-9.093 ; 2.709,33.737 7.082,33.737 10.333,30.486 11.146,30.486 19.168,38.508 0.1@19.168,39.4 19.168,42.907 ; 2.709,137.737 7.082,137.737 10.333,134.486 11.146,134.486 19.168,142.508 0.1@19.168,143.4 19.168,146.907
  Bottom Layer w0.2: v1@1.875,15.675 cw(c1.875,15.192) 2.217,15.534 cw(c2.558,15.875) v1@2.075,15.875 ; v1(1.875,15.875) 2.332,15.418 v1(2.332,9.525) ; v1@1.875,67.675 cw(c1.875,67.192) 2.217,67.534 cw(c2.558,67.875) v1@2.075,67.875 ; v1(1.875,67.875) 2.332,67.418 v1(2.332,61.525) ; v1@1.875,119.675 cw(c1.875,119.192) 2.217,119.534 cw(c2.558,119.875) v1@2.075,119.875 ; v1(1.875,119.875) 2.332,119.418 v1(2.332,113.525) ; v1@1.875,171.675 cw(c1.875,171.192) 2.217,171.534 cw(c2.558,171.875) v1@2.075,171.875 ; v1(1.875,171.875) 2.332,171.418 v1(2.332,165.525) ; v1@2.191,9.666 ccw(c1.85,10.008) 2.332,10.008 ccw(c2.815,10.008) v1@2.474,9.666 ; v1@2.191,61.666 ccw(c1.85,62.008) 2.332,62.008 ccw(c2.815,62.008) v1@2.474,61.666 ; v1@2.191,113.666 ccw(c1.85,114.008) 2.332,114.008 ccw(c2.815,114.008) v1@2.474,113.666 ; v1@2.191,165.666 ccw(c1.85,166.008) 2.332,166.008 ccw(c2.815,166.008) v1@2.474,165.666 ; U1.30@10.82,1.735 13.556,4.47 14.702,4.47 v1(16.074,5.842) ; U1.30@10.82,53.735 13.556,56.47 14.702,56.47 v1(16.074,57.842) ; U1.30@10.82,105.735 13.556,108.47 14.702,108.47 v1(16.074,109.842) ; U1.30@10.82,157.735 13.556,160.47 14.702,160.47 v1(16.074,161.842) ; v1@15.874,5.842 cw(c15.391,5.842) 15.732,5.501 cw(c16.074,5.159) v1@16.074,5.642 ; v1@15.874,57.842 cw(c15.391,57.842) 15.732,57.501 cw(c16.074,57.159) v1@16.074,57.642 ; v1@15.874,109.842 cw(c15.391,109.842) 15.732,109.501 cw(c16.074,109.159) v1@16.074,109.642 ; v1@15.874,161.842 cw(c15.391,161.842) 15.732,161.501 cw(c16.074,161.159) v1@16.074,161.642 ; v1(18.334,-9.068) 18.839,-8.563 18.839,-6.245 18.178,-5.584 18.178,-4.586 17.838,-4.246 17.704,-4.246 17.357,-3.899 17.357,-1.93 19.452,0.165 19.452,5.385 v1(18.995,5.842) ; v1@18.334,-8.868 ccw(c18.334,-8.385) 18.676,-8.726 ccw(c19.017,-9.068) v1@18.534,-9.068 ; v1(18.334,42.932) 18.839,43.437 18.839,45.755 18.178,46.416 18.178,47.414 17.838,47.754 17.704,47.754 17.357,48.101 17.357,50.07 19.452,52.165 19.452,57.385 v1(18.995,57.842) ; v1@18.334,43.132 ccw(c18.334,43.615) 18.676,43.274 ccw(c19.017,42.932) v1@18.534,42.932 ; v1(18.334,94.932) 18.839,95.437 18.839,97.755 18.178,98.416 18.178,99.414 17.838,99.754 17.704,99.754 17.357,100.101 17.357,102.07 19.452,104.165 19.452,109.385 v1(18.995,109.842) ; v1@18.334,95.132 ccw(c18.334,95.615) 18.676,95.274 ccw(c19.017,94.932) v1@18.534,94.932 ; v1(18.334,146.932) 18.839,147.437 18.839,149.755 18.178,150.416 18.178,151.414 17.838,151.754 17.704,151.754 17.357,152.101 17.357,154.07 19.452,156.165 19.452,161.385 v1(18.995,161.842) ; v1@18.334,147.132 ccw(c18.334,147.615) 18.676,147.274 ccw(c19.017,146.932) v1@18.534,146.932 ; v1@18.995,5.642 cw(c18.995,5.159) 19.336,5.501 cw(c19.678,5.842) v1@19.195,5.842 ; v1@18.995,57.642 cw(c18.995,57.159) 19.336,57.501 cw(c19.678,57.842) v1@19.195,57.842 ; v1@18.995,109.642 cw(c18.995,109.159) 19.336,109.501 cw(c19.678,109.842) v1@19.195,109.842 ; v1@18.995,161.642 cw(c18.995,161.159) 19.336,161.501 cw(c19.678,161.842) v1@19.195,161.842